# Altium PCB top.PcbDoc (part 1 of 5) (continued)
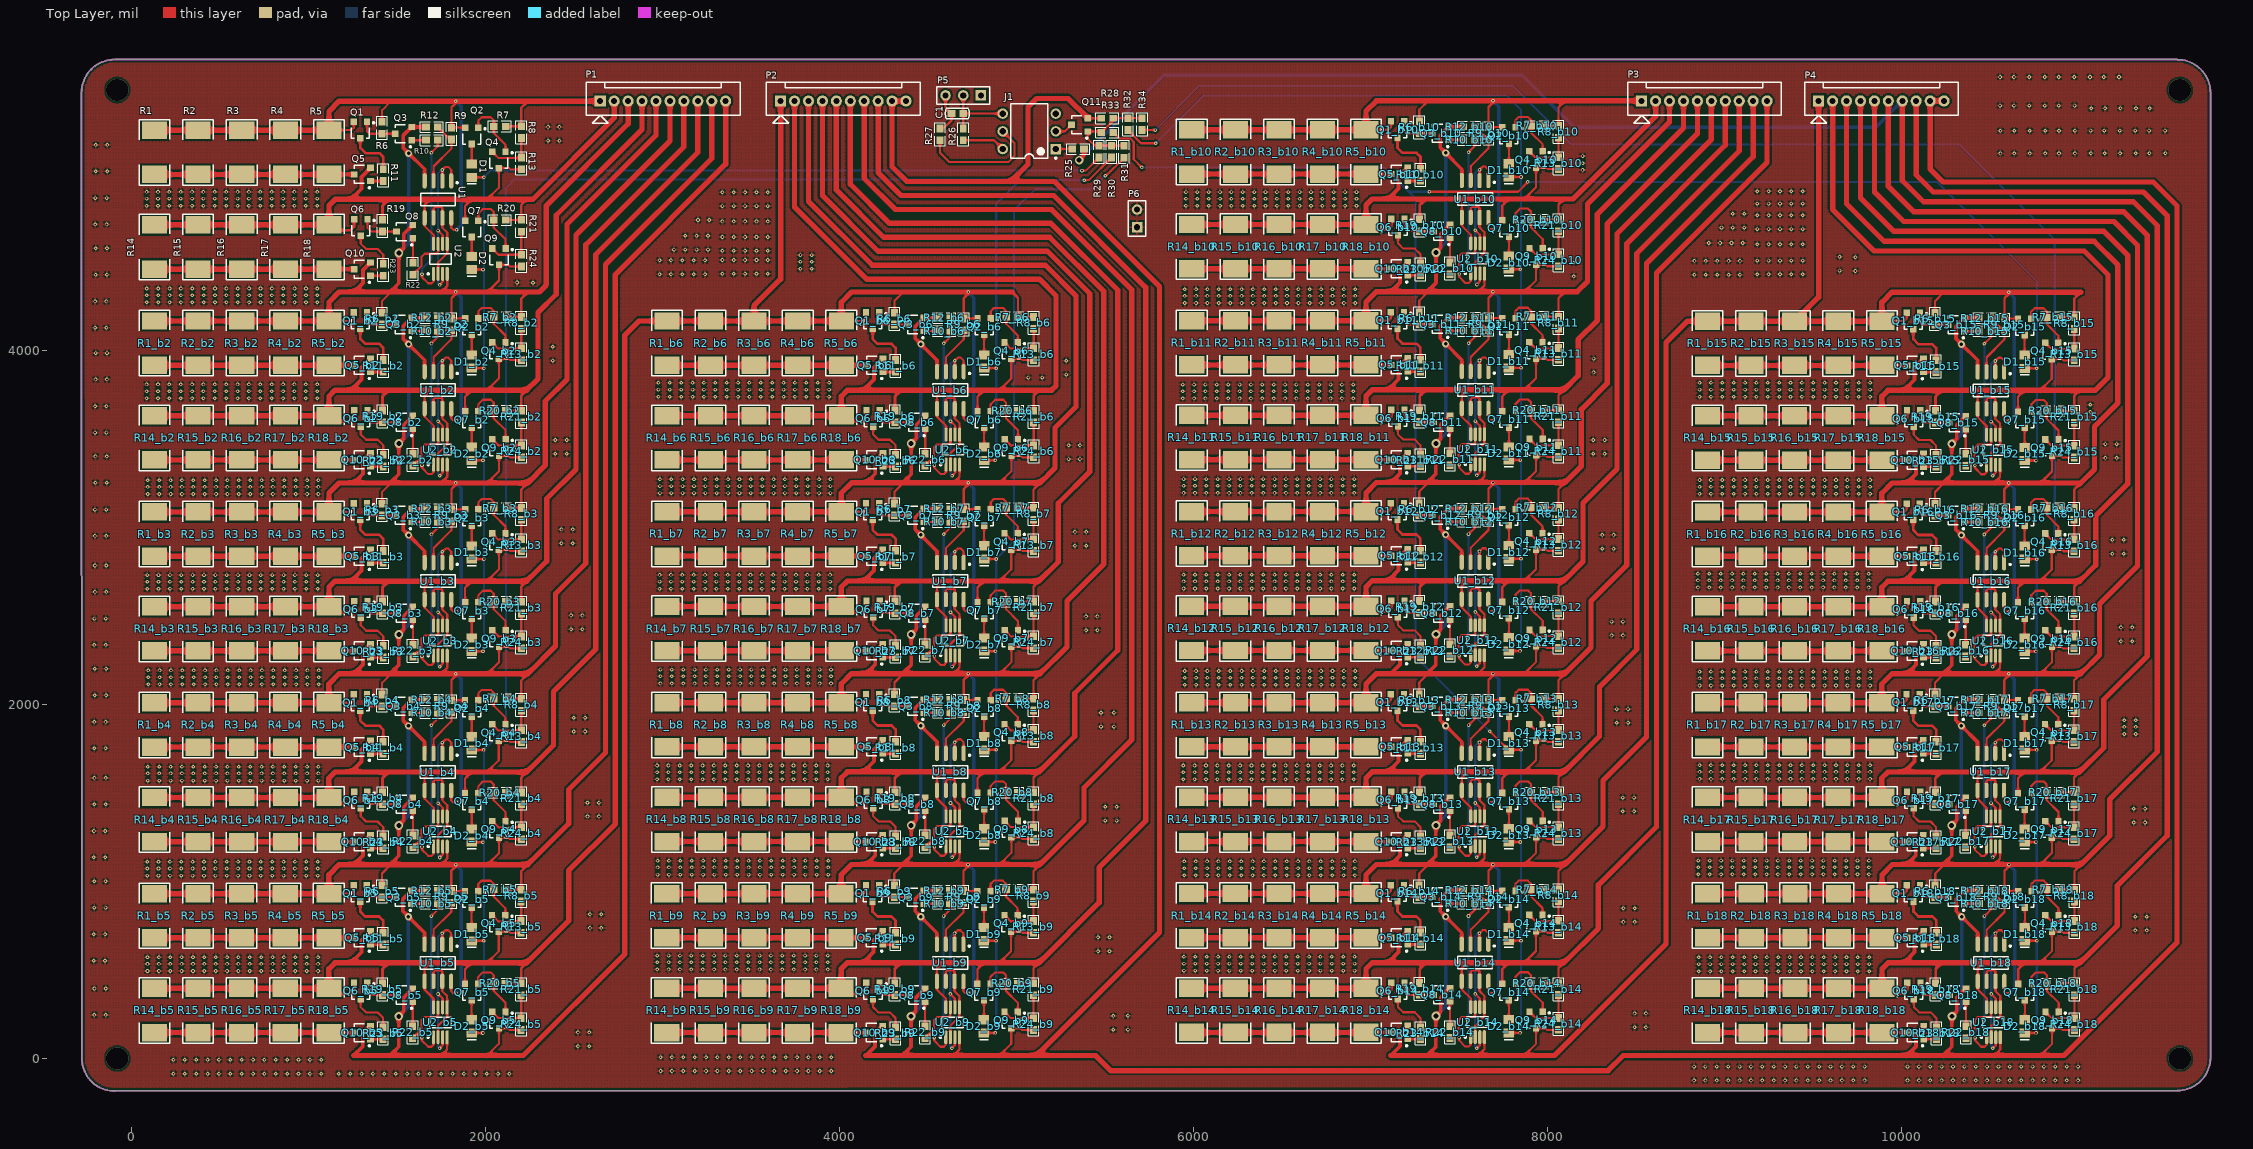
[diagram p0: Top Layer view]
## Components (designator, comment, footprint, x,y, rotation, side; value= is the part's Value field where it differs from the comment) (continued)
Q5_b13 "MOSFET-N" SOT23-3 7165.87,1761.2 r90 top (schematic designator Q5)
Q5_b14 "MOSFET-N" SOT23-3 7165.6,682.74 r90 top (schematic designator Q5)
Q5_b15 "MOSFET-N" SOT23-3 10080,3916.46 r90 top (schematic designator Q5)
Q5_b16 "MOSFET-N" SOT23-3 10079.87,2838.2 r90 top (schematic designator Q5)
Q5_b17 "MOSFET-N" SOT23-3 10079.67,1760.6 r90 top (schematic designator Q5)
Q5_b18 "MOSFET-N" SOT23-3 10080.87,682.2 r90 top (schematic designator Q5)
Q6 "PNP" SOT23-3 1297,4695.54 r180 top
Q6_b2 "PNP" SOT23-3 1297,3617.46 r180 top (schematic designator Q6)
Q6_b3 "PNP" SOT23-3 1297,2538.54 r180 top (schematic designator Q6)
Q6_b4 "PNP" SOT23-3 1296.87,1460.2 r180 top (schematic designator Q6)
Q6_b5 "PNP" SOT23-3 1296.46,382.07 r180 top (schematic designator Q6)
Q6_b6 "PNP" SOT23-3 4192,3617.46 r180 top (schematic designator Q6)
Q6_b7 "PNP" SOT23-3 4191.87,2539.2 r180 top (schematic designator Q6)
Q6_b8 "PNP" SOT23-3 4191.87,1461.2 r180 top (schematic designator Q6)
Q6_b9 "PNP" SOT23-3 4190.87,382.2 r180 top (schematic designator Q6)
Q6_b10 "PNP" SOT23-3 7157,4697.46 r180 top (schematic designator Q6)
Q6_b11 "PNP" SOT23-3 7156.87,3619.2 r180 top (schematic designator Q6)
Q6_b12 "PNP" SOT23-3 7156.6,2540.6 r180 top (schematic designator Q6)
Q6_b13 "PNP" SOT23-3 7156.87,1461.2 r180 top (schematic designator Q6)
Q6_b14 "PNP" SOT23-3 7156.6,382.74 r180 top (schematic designator Q6)
Q6_b15 "PNP" SOT23-3 10071,3616.46 r180 top (schematic designator Q6)
Q6_b16 "PNP" SOT23-3 10070.87,2538.2 r180 top (schematic designator Q6)
Q6_b17 "PNP" SOT23-3 10070.67,1460.6 r180 top (schematic designator Q6)
Q6_b18 "PNP" SOT23-3 10071.87,382.2 r180 top (schematic designator Q6)
Q7 "PNP" SOT23-3 1924,4688.54 r180 top
Q7_b2 "PNP" SOT23-3 1924,3610.46 r180 top (schematic designator Q7)
Q7_b3 "PNP" SOT23-3 1924,2531.54 r180 top (schematic designator Q7)
Q7_b4 "PNP" SOT23-3 1923.87,1453.2 r180 top (schematic designator Q7)
Q7_b5 "PNP" SOT23-3 1923.46,375.07 r180 top (schematic designator Q7)
Q7_b6 "PNP" SOT23-3 4819,3610.46 r180 top (schematic designator Q7)
Q7_b7 "PNP" SOT23-3 4818.87,2532.2 r180 top (schematic designator Q7)
Q7_b8 "PNP" SOT23-3 4818.87,1454.2 r180 top (schematic designator Q7)
Q7_b9 "PNP" SOT23-3 4817.87,375.2 r180 top (schematic designator Q7)
Q7_b10 "PNP" SOT23-3 7784,4690.46 r180 top (schematic designator Q7)
Q7_b11 "PNP" SOT23-3 7783.87,3612.2 r180 top (schematic designator Q7)
Q7_b12 "PNP" SOT23-3 7783.6,2533.6 r180 top (schematic designator Q7)
Q7_b13 "PNP" SOT23-3 7783.87,1454.2 r180 top (schematic designator Q7)
Q7_b14 "PNP" SOT23-3 7783.6,375.74 r180 top (schematic designator Q7)
Q7_b15 "PNP" SOT23-3 10698,3609.46 r180 top (schematic designator Q7)
Q7_b16 "PNP" SOT23-3 10697.87,2531.2 r180 top (schematic designator Q7)
Q7_b17 "PNP" SOT23-3 10697.67,1453.6 r180 top (schematic designator Q7)
Q7_b18 "PNP" SOT23-3 10698.87,375.2 r180 top (schematic designator Q7)
Q8 "NPN" SOT23-3 1545,4672.54 r90 top
Q8_b2 "NPN" SOT23-3 1545,3594.46 r90 top (schematic designator Q8)
Q8_b3 "NPN" SOT23-3 1545,2515.54 r90 top (schematic designator Q8)
Q8_b4 "NPN" SOT23-3 1544.87,1437.2 r90 top (schematic designator Q8)
Q8_b5 "NPN" SOT23-3 1544.46,359.07 r90 top (schematic designator Q8)
Q8_b6 "NPN" SOT23-3 4440,3594.46 r90 top (schematic designator Q8)
Q8_b7 "NPN" SOT23-3 4439.87,2516.2 r90 top (schematic designator Q8)
Q8_b8 "NPN" SOT23-3 4439.87,1438.2 r90 top (schematic designator Q8)
Q8_b9 "NPN" SOT23-3 4438.87,359.2 r90 top (schematic designator Q8)
Q8_b10 "NPN" SOT23-3 7405,4674.46 r90 top (schematic designator Q8)
Q8_b11 "NPN" SOT23-3 7404.87,3596.2 r90 top (schematic designator Q8)
Q8_b12 "NPN" SOT23-3 7404.6,2517.6 r90 top (schematic designator Q8)
Q8_b13 "NPN" SOT23-3 7404.87,1438.2 r90 top (schematic designator Q8)
Q8_b14 "NPN" SOT23-3 7404.6,359.74 r90 top (schematic designator Q8)
Q8_b15 "NPN" SOT23-3 10319,3593.46 r90 top (schematic designator Q8)
Q8_b16 "NPN" SOT23-3 10318.87,2515.2 r90 top (schematic designator Q8)
Q8_b17 "NPN" SOT23-3 10318.67,1437.6 r90 top (schematic designator Q8)
Q8_b18 "NPN" SOT23-3 10319.87,359.2 r90 top (schematic designator Q8)
Q9 "NPN" SOT23-3 2078,4530.54 r180 top
Q9_b2 "NPN" SOT23-3 2078,3452.46 r180 top (schematic designator Q9)
Q9_b3 "NPN" SOT23-3 2078,2373.54 r180 top (schematic designator Q9)
Q9_b4 "NPN" SOT23-3 2077.87,1295.2 r180 top (schematic designator Q9)
Q9_b5 "NPN" SOT23-3 2077.46,217.07 r180 top (schematic designator Q9)
Q9_b6 "NPN" SOT23-3 4973,3452.46 r180 top (schematic designator Q9)
Q9_b7 "NPN" SOT23-3 4972.87,2374.2 r180 top (schematic designator Q9)
Q9_b8 "NPN" SOT23-3 4972.87,1296.2 r180 top (schematic designator Q9)
Q9_b9 "NPN" SOT23-3 4971.87,217.2 r180 top (schematic designator Q9)
Q9_b10 "NPN" SOT23-3 7938,4532.46 r180 top (schematic designator Q9)
Q9_b11 "NPN" SOT23-3 7937.87,3454.2 r180 top (schematic designator Q9)
Q9_b12 "NPN" SOT23-3 7937.6,2375.6 r180 top (schematic designator Q9)
Q9_b13 "NPN" SOT23-3 7937.87,1296.2 r180 top (schematic designator Q9)
Q9_b14 "NPN" SOT23-3 7937.6,217.74 r180 top (schematic designator Q9)
Q9_b15 "NPN" SOT23-3 10852,3451.46 r180 top (schematic designator Q9)
Q9_b16 "NPN" SOT23-3 10851.87,2373.2 r180 top (schematic designator Q9)
Q9_b17 "NPN" SOT23-3 10851.67,1295.6 r180 top (schematic designator Q9)
Q9_b18 "NPN" SOT23-3 10852.87,217.2 r180 top (schematic designator Q9)
Q10 "MOSFET-N" SOT23-3 1306,4460.54 r90 top
Q10_b2 "MOSFET-N" SOT23-3 1306,3382.46 r90 top (schematic designator Q10)
Q10_b3 "MOSFET-N" SOT23-3 1306,2303.54 r90 top (schematic designator Q10)
Q10_b4 "MOSFET-N" SOT23-3 1305.87,1225.2 r90 top (schematic designator Q10)
Q10_b5 "MOSFET-N" SOT23-3 1305.46,147.07 r90 top (schematic designator Q10)
Q10_b6 "MOSFET-N" SOT23-3 4201,3382.46 r90 top (schematic designator Q10)
Q10_b7 "MOSFET-N" SOT23-3 4200.87,2304.2 r90 top (schematic designator Q10)
Q10_b8 "MOSFET-N" SOT23-3 4200.87,1226.2 r90 top (schematic designator Q10)
Q10_b9 "MOSFET-N" SOT23-3 4199.87,147.2 r90 top (schematic designator Q10)
Q10_b10 "MOSFET-N" SOT23-3 7166,4462.46 r90 top (schematic designator Q10)
Q10_b11 "MOSFET-N" SOT23-3 7165.87,3384.2 r90 top (schematic designator Q10)
Q10_b12 "MOSFET-N" SOT23-3 7165.6,2305.6 r90 top (schematic designator Q10)
Q10_b13 "MOSFET-N" SOT23-3 7165.87,1226.2 r90 top (schematic designator Q10)
Q10_b14 "MOSFET-N" SOT23-3 7165.6,147.74 r90 top (schematic designator Q10)
Q10_b15 "MOSFET-N" SOT23-3 10080,3381.46 r90 top (schematic designator Q10)
Q10_b16 "MOSFET-N" SOT23-3 10079.87,2303.2 r90 top (schematic designator Q10)
Q10_b17 "MOSFET-N" SOT23-3 10079.67,1225.6 r90 top (schematic designator Q10)
Q10_b18 "MOSFET-N" SOT23-3 10080.87,147.2 r90 top (schematic designator Q10)
Q11 "NPN" SOT23-3 5359,5276 r90 top
R1 "Res1" 2512 132,5120.54 r90 top
R1_b2 "Res1" 2512 132,4042.46 r90 top (schematic designator R1)
R1_b3 "Res1" 2512 132,2963.54 r90 top (schematic designator R1)
R1_b4 "Res1" 2512 131.87,1885.2 r90 top (schematic designator R1)
R1_b5 "Res1" 2512 131.46,807.07 r90 top (schematic designator R1)
R1_b6 "Res1" 2512 3027,4042.46 r90 top (schematic designator R1)
R1_b7 "Res1" 2512 3026.87,2964.2 r90 top (schematic designator R1)
R1_b8 "Res1" 2512 3026.87,1886.2 r90 top (schematic designator R1)
R1_b9 "Res1" 2512 3025.87,807.2 r90 top (schematic designator R1)
R1_b10 "Res1" 2512 5992,5122.46 r90 top (schematic designator R1)
R1_b11 "Res1" 2512 5991.87,4044.2 r90 top (schematic designator R1)
R1_b12 "Res1" 2512 5991.6,2965.6 r90 top (schematic designator R1)
R1_b13 "Res1" 2512 5991.87,1886.2 r90 top (schematic designator R1)
R1_b14 "Res1" 2512 5991.6,807.74 r90 top (schematic designator R1)
R1_b15 "Res1" 2512 8906,4041.46 r90 top (schematic designator R1)
R1_b16 "Res1" 2512 8905.87,2963.2 r90 top (schematic designator R1)
R1_b17 "Res1" 2512 8905.67,1885.6 r90 top (schematic designator R1)
R1_b18 "Res1" 2512 8906.87,807.2 r90 top (schematic designator R1)
R2 "Res1" 2512 378.25,5120.54 r90 top
R2_b2 "Res1" 2512 378.25,4042.46 r90 top (schematic designator R2)
R2_b3 "Res1" 2512 378.25,2963.54 r90 top (schematic designator R2)
R2_b4 "Res1" 2512 378.12,1885.2 r90 top (schematic designator R2)
R2_b5 "Res1" 2512 377.71,807.07 r90 top (schematic designator R2)
R2_b6 "Res1" 2512 3273.25,4042.46 r90 top (schematic designator R2)
R2_b7 "Res1" 2512 3273.12,2964.2 r90 top (schematic designator R2)
R2_b8 "Res1" 2512 3273.12,1886.2 r90 top (schematic designator R2)
R2_b9 "Res1" 2512 3272.12,807.2 r90 top (schematic designator R2)
R2_b10 "Res1" 2512 6238.25,5122.46 r90 top (schematic designator R2)
R2_b11 "Res1" 2512 6238.12,4044.2 r90 top (schematic designator R2)
R2_b12 "Res1" 2512 6237.85,2965.6 r90 top (schematic designator R2)
R2_b13 "Res1" 2512 6238.12,1886.2 r90 top (schematic designator R2)
R2_b14 "Res1" 2512 6237.85,807.74 r90 top (schematic designator R2)
R2_b15 "Res1" 2512 9152.25,4041.46 r90 top (schematic designator R2)
R2_b16 "Res1" 2512 9152.12,2963.2 r90 top (schematic designator R2)
R2_b17 "Res1" 2512 9151.92,1885.6 r90 top (schematic designator R2)
R2_b18 "Res1" 2512 9153.12,807.2 r90 top (schematic designator R2)
R3 "Res1" 2512 624.5,5120.54 r90 top
R3_b2 "Res1" 2512 624.5,4042.46 r90 top (schematic designator R3)
R3_b3 "Res1" 2512 624.5,2963.54 r90 top (schematic designator R3)
R3_b4 "Res1" 2512 624.37,1885.2 r90 top (schematic designator R3)
R3_b5 "Res1" 2512 623.96,807.07 r90 top (schematic designator R3)
R3_b6 "Res1" 2512 3519.5,4042.46 r90 top (schematic designator R3)
R3_b7 "Res1" 2512 3519.37,2964.2 r90 top (schematic designator R3)
R3_b8 "Res1" 2512 3519.37,1886.2 r90 top (schematic designator R3)
R3_b9 "Res1" 2512 3518.37,807.2 r90 top (schematic designator R3)
R3_b10 "Res1" 2512 6484.5,5122.46 r90 top (schematic designator R3)
R3_b11 "Res1" 2512 6484.37,4044.2 r90 top (schematic designator R3)
R3_b12 "Res1" 2512 6484.1,2965.6 r90 top (schematic designator R3)
R3_b13 "Res1" 2512 6484.37,1886.2 r90 top (schematic designator R3)
R3_b14 "Res1" 2512 6484.1,807.74 r90 top (schematic designator R3)
R3_b15 "Res1" 2512 9398.5,4041.46 r90 top (schematic designator R3)
R3_b16 "Res1" 2512 9398.37,2963.2 r90 top (schematic designator R3)
R3_b17 "Res1" 2512 9398.17,1885.6 r90 top (schematic designator R3)
R3_b18 "Res1" 2512 9399.37,807.2 r90 top (schematic designator R3)
R4 "Res1" 2512 870.75,5120.54 r90 top
R4_b2 "Res1" 2512 870.75,4042.46 r90 top (schematic designator R4)
R4_b3 "Res1" 2512 870.75,2963.54 r90 top (schematic designator R4)
R4_b4 "Res1" 2512 870.62,1885.2 r90 top (schematic designator R4)
R4_b5 "Res1" 2512 870.21,807.07 r90 top (schematic designator R4)
R4_b6 "Res1" 2512 3765.75,4042.46 r90 top (schematic designator R4)
R4_b7 "Res1" 2512 3765.62,2964.2 r90 top (schematic designator R4)
R4_b8 "Res1" 2512 3765.62,1886.2 r90 top (schematic designator R4)
R4_b9 "Res1" 2512 3764.62,807.2 r90 top (schematic designator R4)
R4_b10 "Res1" 2512 6730.75,5122.46 r90 top (schematic designator R4)
R4_b11 "Res1" 2512 6730.62,4044.2 r90 top (schematic designator R4)
R4_b12 "Res1" 2512 6730.35,2965.6 r90 top (schematic designator R4)
R4_b13 "Res1" 2512 6730.62,1886.2 r90 top (schematic designator R4)
R4_b14 "Res1" 2512 6730.35,807.74 r90 top (schematic designator R4)
R4_b15 "Res1" 2512 9644.75,4041.46 r90 top (schematic designator R4)
R4_b16 "Res1" 2512 9644.62,2963.2 r90 top (schematic designator R4)
R4_b17 "Res1" 2512 9644.42,1885.6 r90 top (schematic designator R4)
R4_b18 "Res1" 2512 9645.62,807.2 r90 top (schematic designator R4)
R5 "Res1" 2512 1117,5120.54 r90 top
R5_b2 "Res1" 2512 1117,4042.46 r90 top (schematic designator R5)
R5_b3 "Res1" 2512 1117,2963.54 r90 top (schematic designator R5)
R5_b4 "Res1" 2512 1116.87,1885.2 r90 top (schematic designator R5)
R5_b5 "Res1" 2512 1116.46,807.07 r90 top (schematic designator R5)
R5_b6 "Res1" 2512 4012,4042.46 r90 top (schematic designator R5)
R5_b7 "Res1" 2512 4011.87,2964.2 r90 top (schematic designator R5)
R5_b8 "Res1" 2512 4011.87,1886.2 r90 top (schematic designator R5)
R5_b9 "Res1" 2512 4010.87,807.2 r90 top (schematic designator R5)
R5_b10 "Res1" 2512 6977,5122.46 r90 top (schematic designator R5)
R5_b11 "Res1" 2512 6976.87,4044.2 r90 top (schematic designator R5)
R5_b12 "Res1" 2512 6976.6,2965.6 r90 top (schematic designator R5)
R5_b13 "Res1" 2512 6976.87,1886.2 r90 top (schematic designator R5)
R5_b14 "Res1" 2512 6976.6,807.74 r90 top (schematic designator R5)
R5_b15 "Res1" 2512 9891,4041.46 r90 top (schematic designator R5)
R5_b16 "Res1" 2512 9890.87,2963.2 r90 top (schematic designator R5)
R5_b17 "Res1" 2512 9890.67,1885.6 r90 top (schematic designator R5)
R5_b18 "Res1" 2512 9891.87,807.2 r90 top (schematic designator R5)
R6 "Res1" 0603-1 1417.54,5259 r90 top
R6_b2 "Res1" 0603-1 1417.54,4180.93 r90 top (schematic designator R6)
R6_b3 "Res1" 0603-1 1417.54,3102 r90 top (schematic designator R6)
R6_b4 "Res1" 0603-1 1417.41,2023.66 r90 top (schematic designator R6)
R6_b5 "Res1" 0603-1 1417,945.54 r90 top (schematic designator R6)
R6_b6 "Res1" 0603-1 4312.54,4180.93 r90 top (schematic designator R6)
R6_b7 "Res1" 0603-1 4312.41,3102.66 r90 top (schematic designator R6)
R6_b8 "Res1" 0603-1 4312.41,2024.66 r90 top (schematic designator R6)
R6_b9 "Res1" 0603-1 4311.41,945.66 r90 top (schematic designator R6)
R6_b10 "Res1" 0603-1 7277.54,5260.93 r90 top (schematic designator R6)
R6_b11 "Res1" 0603-1 7277.41,4182.66 r90 top (schematic designator R6)
R6_b12 "Res1" 0603-1 7277.13,3104.06 r90 top (schematic designator R6)
R6_b13 "Res1" 0603-1 7277.41,2024.66 r90 top (schematic designator R6)
R6_b14 "Res1" 0603-1 7277.13,946.2 r90 top (schematic designator R6)
R6_b15 "Res1" 0603-1 10191.54,4179.93 r90 top (schematic designator R6)
R6_b16 "Res1" 0603-1 10191.41,3101.66 r90 top (schematic designator R6)
R6_b17 "Res1" 0603-1 10191.2,2024.06 r90 top (schematic designator R6)
R6_b18 "Res1" 0603-1 10192.41,945.66 r90 top (schematic designator R6)
R7 "Res1" 0603-1 2082,5267.54 r0 top
R7_b2 "Res1" 0603-1 2082,4189.46 r0 top (schematic designator R7)
R7_b3 "Res1" 0603-1 2082,3110.54 r0 top (schematic designator R7)
R7_b4 "Res1" 0603-1 2081.87,2032.2 r0 top (schematic designator R7)
R7_b5 "Res1" 0603-1 2081.46,954.07 r0 top (schematic designator R7)
R7_b6 "Res1" 0603-1 4977,4189.46 r0 top (schematic designator R7)
R7_b7 "Res1" 0603-1 4976.87,3111.2 r0 top (schematic designator R7)
R7_b8 "Res1" 0603-1 4976.87,2033.2 r0 top (schematic designator R7)
R7_b9 "Res1" 0603-1 4975.87,954.2 r0 top (schematic designator R7)
R7_b10 "Res1" 0603-1 7942,5269.46 r0 top (schematic designator R7)
R7_b11 "Res1" 0603-1 7941.87,4191.2 r0 top (schematic designator R7)
R7_b12 "Res1" 0603-1 7941.6,3112.6 r0 top (schematic designator R7)
R7_b13 "Res1" 0603-1 7941.87,2033.2 r0 top (schematic designator R7)
R7_b14 "Res1" 0603-1 7941.6,954.74 r0 top (schematic designator R7)
R7_b15 "Res1" 0603-1 10856,4188.46 r0 top (schematic designator R7)
R7_b16 "Res1" 0603-1 10855.87,3110.2 r0 top (schematic designator R7)
R7_b17 "Res1" 0603-1 10855.67,2032.6 r0 top (schematic designator R7)
R7_b18 "Res1" 0603-1 10856.87,954.2 r0 top (schematic designator R7)
R8 "Res1" 0603-1 2204,5234.54 r90 top
R8_b2 "Res1" 0603-1 2204,4156.46 r90 top (schematic designator R8)
R8_b3 "Res1" 0603-1 2204,3077.54 r90 top (schematic designator R8)
R8_b4 "Res1" 0603-1 2203.87,1999.2 r90 top (schematic designator R8)
R8_b5 "Res1" 0603-1 2203.46,921.07 r90 top (schematic designator R8)
R8_b6 "Res1" 0603-1 5099,4156.46 r90 top (schematic designator R8)
R8_b7 "Res1" 0603-1 5098.87,3078.2 r90 top (schematic designator R8)
R8_b8 "Res1" 0603-1 5098.87,2000.2 r90 top (schematic designator R8)
R8_b9 "Res1" 0603-1 5097.87,921.2 r90 top (schematic designator R8)
R8_b10 "Res1" 0603-1 8064,5236.46 r90 top (schematic designator R8)
R8_b11 "Res1" 0603-1 8063.87,4158.2 r90 top (schematic designator R8)
R8_b12 "Res1" 0603-1 8063.6,3079.6 r90 top (schematic designator R8)
R8_b13 "Res1" 0603-1 8063.87,2000.2 r90 top (schematic designator R8)
R8_b14 "Res1" 0603-1 8063.6,921.74 r90 top (schematic designator R8)
R8_b15 "Res1" 0603-1 10978,4155.46 r90 top (schematic designator R8)
R8_b16 "Res1" 0603-1 10977.87,3077.2 r90 top (schematic designator R8)
R8_b17 "Res1" 0603-1 10977.67,1999.6 r90 top (schematic designator R8)
R8_b18 "Res1" 0603-1 10978.87,921.2 r90 top (schematic designator R8)
R9 "Res1" 0603-1 1809,5226.54 r90 top
R9_b2 "Res1" 0603-1 1809,4148.46 r90 top (schematic designator R9)
R9_b3 "Res1" 0603-1 1809,3069.54 r90 top (schematic designator R9)
R9_b4 "Res1" 0603-1 1808.87,1991.2 r90 top (schematic designator R9)
R9_b5 "Res1" 0603-1 1808.46,913.07 r90 top (schematic designator R9)
R9_b6 "Res1" 0603-1 4704,4148.46 r90 top (schematic designator R9)
R9_b7 "Res1" 0603-1 4703.87,3070.2 r90 top (schematic designator R9)
R9_b8 "Res1" 0603-1 4703.87,1992.2 r90 top (schematic designator R9)
R9_b9 "Res1" 0603-1 4702.87,913.2 r90 top (schematic designator R9)
R9_b10 "Res1" 0603-1 7669,5228.46 r90 top (schematic designator R9)
R9_b11 "Res1" 0603-1 7668.87,4150.2 r90 top (schematic designator R9)
R9_b12 "Res1" 0603-1 7668.6,3071.6 r90 top (schematic designator R9)
R9_b13 "Res1" 0603-1 7668.87,1992.2 r90 top (schematic designator R9)
R9_b14 "Res1" 0603-1 7668.6,913.74 r90 top (schematic designator R9)
R9_b15 "Res1" 0603-1 10583,4147.46 r90 top (schematic designator R9)
R9_b16 "Res1" 0603-1 10582.87,3069.2 r90 top (schematic designator R9)
R9_b17 "Res1" 0603-1 10582.67,1991.6 r90 top (schematic designator R9)
R9_b18 "Res1" 0603-1 10583.87,913.2 r90 top (schematic designator R9)
R10 "Res1" 0603-1 1698.87,5188.94 r0 top
R10_b2 "Res1" 0603-1 1698.87,4110.87 r0 top (schematic designator R10)
R10_b3 "Res1" 0603-1 1698.87,3031.94 r0 top (schematic designator R10)
R10_b4 "Res1" 0603-1 1698.74,1953.6 r0 top (schematic designator R10)
R10_b5 "Res1" 0603-1 1698.33,875.47 r0 top (schematic designator R10)
R10_b6 "Res1" 0603-1 4593.87,4110.87 r0 top (schematic designator R10)
R10_b7 "Res1" 0603-1 4593.74,3032.6 r0 top (schematic designator R10)
R10_b8 "Res1" 0603-1 4593.74,1954.6 r0 top (schematic designator R10)
R10_b9 "Res1" 0603-1 4592.74,875.6 r0 top (schematic designator R10)
R10_b10 "Res1" 0603-1 7558.87,5190.87 r0 top (schematic designator R10)
R10_b11 "Res1" 0603-1 7558.74,4112.6 r0 top (schematic designator R10)
R10_b12 "Res1" 0603-1 7558.46,3034 r0 top (schematic designator R10)
R10_b13 "Res1" 0603-1 7558.74,1954.6 r0 top (schematic designator R10)
R10_b14 "Res1" 0603-1 7558.46,876.14 r0 top (schematic designator R10)
R10_b15 "Res1" 0603-1 10472.87,4109.87 r0 top (schematic designator R10)
R10_b16 "Res1" 0603-1 10472.74,3031.6 r0 top (schematic designator R10)
R10_b17 "Res1" 0603-1 10472.54,1954 r0 top (schematic designator R10)
R10_b18 "Res1" 0603-1 10473.74,875.6 r0 top (schematic designator R10)
R11 "Res1" 0603-1 1424,4991.54 r90 top
R11_b2 "Res1" 0603-1 1424,3913.46 r90 top (schematic designator R11)
R11_b3 "Res1" 0603-1 1424,2834.54 r90 top (schematic designator R11)
R11_b4 "Res1" 0603-1 1423.87,1756.2 r90 top (schematic designator R11)
R11_b5 "Res1" 0603-1 1423.46,678.07 r90 top (schematic designator R11)
R11_b6 "Res1" 0603-1 4319,3913.46 r90 top (schematic designator R11)
R11_b7 "Res1" 0603-1 4318.87,2835.2 r90 top (schematic designator R11)
R11_b8 "Res1" 0603-1 4318.87,1757.2 r90 top (schematic designator R11)
R11_b9 "Res1" 0603-1 4317.87,678.2 r90 top (schematic designator R11)
R11_b10 "Res1" 0603-1 7284,4993.46 r90 top (schematic designator R11)
R11_b11 "Res1" 0603-1 7283.87,3915.2 r90 top (schematic designator R11)
R11_b12 "Res1" 0603-1 7283.6,2836.6 r90 top (schematic designator R11)
R11_b13 "Res1" 0603-1 7283.87,1757.2 r90 top (schematic designator R11)
R11_b14 "Res1" 0603-1 7283.6,678.74 r90 top (schematic designator R11)
R11_b15 "Res1" 0603-1 10198,3912.46 r90 top (schematic designator R11)
R11_b16 "Res1" 0603-1 10197.87,2834.2 r90 top (schematic designator R11)
R11_b17 "Res1" 0603-1 10197.67,1756.6 r90 top (schematic designator R11)
R11_b18 "Res1" 0603-1 10198.87,678.2 r90 top (schematic designator R11)
R12 "Res1" 0603-1 1698.87,5262.94 r0 top
R12_b2 "Res1" 0603-1 1698.87,4184.87 r0 top (schematic designator R12)
R12_b3 "Res1" 0603-1 1698.87,3105.94 r0 top (schematic designator R12)
R12_b4 "Res1" 0603-1 1698.74,2027.6 r0 top (schematic designator R12)
R12_b5 "Res1" 0603-1 1698.33,949.47 r0 top (schematic designator R12)
R12_b6 "Res1" 0603-1 4593.87,4184.87 r0 top (schematic designator R12)
R12_b7 "Res1" 0603-1 4593.74,3106.6 r0 top (schematic designator R12)
R12_b8 "Res1" 0603-1 4593.74,2028.6 r0 top (schematic designator R12)
R12_b9 "Res1" 0603-1 4592.74,949.6 r0 top (schematic designator R12)
R12_b10 "Res1" 0603-1 7558.87,5264.87 r0 top (schematic designator R12)
R12_b11 "Res1" 0603-1 7558.74,4186.6 r0 top (schematic designator R12)
R12_b12 "Res1" 0603-1 7558.46,3108 r0 top (schematic designator R12)
R12_b13 "Res1" 0603-1 7558.74,2028.6 r0 top (schematic designator R12)
R12_b14 "Res1" 0603-1 7558.46,950.14 r0 top (schematic designator R12)
R12_b15 "Res1" 0603-1 10472.87,4183.87 r0 top (schematic designator R12)
R12_b16 "Res1" 0603-1 10472.74,3105.6 r0 top (schematic designator R12)
R12_b17 "Res1" 0603-1 10472.54,2028 r0 top (schematic designator R12)
R12_b18 "Res1" 0603-1 10473.74,949.6 r0 top (schematic designator R12)
R13 "Res1" 0603-1 2204,5057.54 r90 top
R13_b2 "Res1" 0603-1 2204,3979.46 r90 top (schematic designator R13)
R13_b3 "Res1" 0603-1 2204,2900.54 r90 top (schematic designator R13)
R13_b4 "Res1" 0603-1 2203.87,1822.2 r90 top (schematic designator R13)
R13_b5 "Res1" 0603-1 2203.46,744.07 r90 top (schematic designator R13)
R13_b6 "Res1" 0603-1 5099,3979.46 r90 top (schematic designator R13)
R13_b7 "Res1" 0603-1 5098.87,2901.2 r90 top (schematic designator R13)
R13_b8 "Res1" 0603-1 5098.87,1823.2 r90 top (schematic designator R13)
R13_b9 "Res1" 0603-1 5097.87,744.2 r90 top (schematic designator R13)
R13_b10 "Res1" 0603-1 8064,5059.46 r90 top (schematic designator R13)
R13_b11 "Res1" 0603-1 8063.87,3981.2 r90 top (schematic designator R13)
R13_b12 "Res1" 0603-1 8063.6,2902.6 r90 top (schematic designator R13)
R13_b13 "Res1" 0603-1 8063.87,1823.2 r90 top (schematic designator R13)
R13_b14 "Res1" 0603-1 8063.6,744.74 r90 top (schematic designator R13)
R13_b15 "Res1" 0603-1 10978,3978.46 r90 top (schematic designator R13)
R13_b16 "Res1" 0603-1 10977.87,2900.2 r90 top (schematic designator R13)
R13_b17 "Res1" 0603-1 10977.67,1822.6 r90 top (schematic designator R13)
R13_b18 "Res1" 0603-1 10978.87,744.2 r90 top (schematic designator R13)
R14 "Res1" 2512 132,4585.54 r90 top
R14_b2 "Res1" 2512 132,3507.46 r90 top (schematic designator R14)
R14_b3 "Res1" 2512 132,2428.54 r90 top (schematic designator R14)
R14_b4 "Res1" 2512 131.87,1350.2 r90 top (schematic designator R14)
R14_b5 "Res1" 2512 131.46,272.07 r90 top (schematic designator R14)
R14_b6 "Res1" 2512 3027,3507.46 r90 top (schematic designator R14)
R14_b7 "Res1" 2512 3026.87,2429.2 r90 top (schematic designator R14)
R14_b8 "Res1" 2512 3026.87,1351.2 r90 top (schematic designator R14)
R14_b9 "Res1" 2512 3025.87,272.2 r90 top (schematic designator R14)
R14_b10 "Res1" 2512 5992,4587.46 r90 top (schematic designator R14)
R14_b11 "Res1" 2512 5991.87,3509.2 r90 top (schematic designator R14)
R14_b12 "Res1" 2512 5991.6,2430.6 r90 top (schematic designator R14)
R14_b13 "Res1" 2512 5991.87,1351.2 r90 top (schematic designator R14)
R14_b14 "Res1" 2512 5991.6,272.74 r90 top (schematic designator R14)
R14_b15 "Res1" 2512 8906,3506.46 r90 top (schematic designator R14)
R14_b16 "Res1" 2512 8905.87,2428.2 r90 top (schematic designator R14)
R14_b17 "Res1" 2512 8905.67,1350.6 r90 top (schematic designator R14)
R14_b18 "Res1" 2512 8906.87,272.2 r90 top (schematic designator R14)
R15 "Res1" 2512 378.25,4585.54 r90 top
R15_b2 "Res1" 2512 378.25,3507.46 r90 top (schematic designator R15)
R15_b3 "Res1" 2512 378.25,2428.54 r90 top (schematic designator R15)
R15_b4 "Res1" 2512 378.12,1350.2 r90 top (schematic designator R15)
R15_b5 "Res1" 2512 377.71,272.07 r90 top (schematic designator R15)
R15_b6 "Res1" 2512 3273.25,3507.46 r90 top (schematic designator R15)
R15_b7 "Res1" 2512 3273.12,2429.2 r90 top (schematic designator R15)
R15_b8 "Res1" 2512 3273.12,1351.2 r90 top (schematic designator R15)
R15_b9 "Res1" 2512 3272.12,272.2 r90 top (schematic designator R15)
R15_b10 "Res1" 2512 6238.25,4587.46 r90 top (schematic designator R15)
R15_b11 "Res1" 2512 6238.12,3509.2 r90 top (schematic designator R15)
R15_b12 "Res1" 2512 6237.85,2430.6 r90 top (schematic designator R15)
R15_b13 "Res1" 2512 6238.12,1351.2 r90 top (schematic designator R15)
R15_b14 "Res1" 2512 6237.85,272.74 r90 top (schematic designator R15)
R15_b15 "Res1" 2512 9152.25,3506.46 r90 top (schematic designator R15)
R15_b16 "Res1" 2512 9152.12,2428.2 r90 top (schematic designator R15)
R15_b17 "Res1" 2512 9151.92,1350.6 r90 top (schematic designator R15)
R15_b18 "Res1" 2512 9153.12,272.2 r90 top (schematic designator R15)
R16 "Res1" 2512 624.5,4585.54 r90 top
R16_b2 "Res1" 2512 624.5,3507.46 r90 top (schematic designator R16)
R16_b3 "Res1" 2512 624.5,2428.54 r90 top (schematic designator R16)
R16_b4 "Res1" 2512 624.37,1350.2 r90 top (schematic designator R16)
R16_b5 "Res1" 2512 623.96,272.07 r90 top (schematic designator R16)
R16_b6 "Res1" 2512 3519.5,3507.46 r90 top (schematic designator R16)
R16_b7 "Res1" 2512 3519.37,2429.2 r90 top (schematic designator R16)
R16_b8 "Res1" 2512 3519.37,1351.2 r90 top (schematic designator R16)
R16_b9 "Res1" 2512 3518.37,272.2 r90 top (schematic designator R16)
R16_b10 "Res1" 2512 6484.5,4587.46 r90 top (schematic designator R16)
R16_b11 "Res1" 2512 6484.37,3509.2 r90 top (schematic designator R16)
R16_b12 "Res1" 2512 6484.1,2430.6 r90 top (schematic designator R16)
R16_b13 "Res1" 2512 6484.37,1351.2 r90 top (schematic designator R16)
R16_b14 "Res1" 2512 6484.1,272.74 r90 top (schematic designator R16)
R16_b15 "Res1" 2512 9398.5,3506.46 r90 top (schematic designator R16)
R16_b16 "Res1" 2512 9398.37,2428.2 r90 top (schematic designator R16)
R16_b17 "Res1" 2512 9398.17,1350.6 r90 top (schematic designator R16)
R16_b18 "Res1" 2512 9399.37,272.2 r90 top (schematic designator R16)
R17 "Res1" 2512 870.75,4585.54 r90 top
R17_b2 "Res1" 2512 870.75,3507.46 r90 top (schematic designator R17)
R17_b3 "Res1" 2512 870.75,2428.54 r90 top (schematic designator R17)
R17_b4 "Res1" 2512 870.62,1350.2 r90 top (schematic designator R17)
R17_b5 "Res1" 2512 870.21,272.07 r90 top (schematic designator R17)
R17_b6 "Res1" 2512 3765.75,3507.46 r90 top (schematic designator R17)
R17_b7 "Res1" 2512 3765.62,2429.2 r90 top (schematic designator R17)
R17_b8 "Res1" 2512 3765.62,1351.2 r90 top (schematic designator R17)
R17_b9 "Res1" 2512 3764.62,272.2 r90 top (schematic designator R17)
R17_b10 "Res1" 2512 6730.75,4587.46 r90 top (schematic designator R17)
R17_b11 "Res1" 2512 6730.62,3509.2 r90 top (schematic designator R17)
R17_b12 "Res1" 2512 6730.35,2430.6 r90 top (schematic designator R17)
R17_b13 "Res1" 2512 6730.62,1351.2 r90 top (schematic designator R17)
R17_b14 "Res1" 2512 6730.35,272.74 r90 top (schematic designator R17)
R17_b15 "Res1" 2512 9644.75,3506.46 r90 top (schematic designator R17)
R17_b16 "Res1" 2512 9644.62,2428.2 r90 top (schematic designator R17)
R17_b17 "Res1" 2512 9644.42,1350.6 r90 top (schematic designator R17)
R17_b18 "Res1" 2512 9645.62,272.2 r90 top (schematic designator R17)
R18 "Res1" 2512 1117,4585.54 r90 top
R18_b2 "Res1" 2512 1117,3507.46 r90 top (schematic designator R18)
R18_b3 "Res1" 2512 1117,2428.54 r90 top (schematic designator R18)
R18_b4 "Res1" 2512 1116.87,1350.2 r90 top (schematic designator R18)
R18_b5 "Res1" 2512 1116.46,272.07 r90 top (schematic designator R18)
R18_b6 "Res1" 2512 4012,3507.46 r90 top (schematic designator R18)
R18_b7 "Res1" 2512 4011.87,2429.2 r90 top (schematic designator R18)
R18_b8 "Res1" 2512 4011.87,1351.2 r90 top (schematic designator R18)
R18_b9 "Res1" 2512 4010.87,272.2 r90 top (schematic designator R18)
R18_b10 "Res1" 2512 6977,4587.46 r90 top (schematic designator R18)
R18_b11 "Res1" 2512 6976.87,3509.2 r90 top (schematic designator R18)
R18_b12 "Res1" 2512 6976.6,2430.6 r90 top (schematic designator R18)
R18_b13 "Res1" 2512 6976.87,1351.2 r90 top (schematic designator R18)
R18_b14 "Res1" 2512 6976.6,272.74 r90 top (schematic designator R18)
R18_b15 "Res1" 2512 9891,3506.46 r90 top (schematic designator R18)
R18_b16 "Res1" 2512 9890.87,2428.2 r90 top (schematic designator R18)
R18_b17 "Res1" 2512 9890.67,1350.6 r90 top (schematic designator R18)
R18_b18 "Res1" 2512 9891.87,272.2 r90 top (schematic designator R18)
R19 "Res1" 0603-1 1420,4706.54 r90 top
R19_b2 "Res1" 0603-1 1420,3628.46 r90 top (schematic designator R19)
R19_b3 "Res1" 0603-1 1420,2549.54 r90 top (schematic designator R19)
R19_b4 "Res1" 0603-1 1419.87,1471.2 r90 top (schematic designator R19)
R19_b5 "Res1" 0603-1 1419.46,393.07 r90 top (schematic designator R19)
R19_b6 "Res1" 0603-1 4315,3628.46 r90 top (schematic designator R19)
R19_b7 "Res1" 0603-1 4314.87,2550.2 r90 top (schematic designator R19)
R19_b8 "Res1" 0603-1 4314.87,1472.2 r90 top (schematic designator R19)
R19_b9 "Res1" 0603-1 4313.87,393.2 r90 top (schematic designator R19)
R19_b10 "Res1" 0603-1 7280,4708.46 r90 top (schematic designator R19)
R19_b11 "Res1" 0603-1 7279.87,3630.2 r90 top (schematic designator R19)
R19_b12 "Res1" 0603-1 7279.6,2551.6 r90 top (schematic designator R19)
R19_b13 "Res1" 0603-1 7279.87,1472.2 r90 top (schematic designator R19)
R19_b14 "Res1" 0603-1 7279.6,393.74 r90 top (schematic designator R19)
R19_b15 "Res1" 0603-1 10194,3627.46 r90 top (schematic designator R19)
R19_b16 "Res1" 0603-1 10193.87,2549.2 r90 top (schematic designator R19)
R19_b17 "Res1" 0603-1 10193.67,1471.6 r90 top (schematic designator R19)
R19_b18 "Res1" 0603-1 10194.87,393.2 r90 top (schematic designator R19)
R20 "Res1" 0603-1 2082,4738.54 r0 top
R20_b2 "Res1" 0603-1 2082,3660.46 r0 top (schematic designator R20)
R20_b3 "Res1" 0603-1 2082,2581.54 r0 top (schematic designator R20)
R20_b4 "Res1" 0603-1 2081.87,1503.2 r0 top (schematic designator R20)
R20_b5 "Res1" 0603-1 2081.46,425.07 r0 top (schematic designator R20)
R20_b6 "Res1" 0603-1 4977,3660.46 r0 top (schematic designator R20)
R20_b7 "Res1" 0603-1 4976.87,2582.2 r0 top (schematic designator R20)